# Altium PCB lamp_controller.PcbDoc (part 2 of 3) (continued)
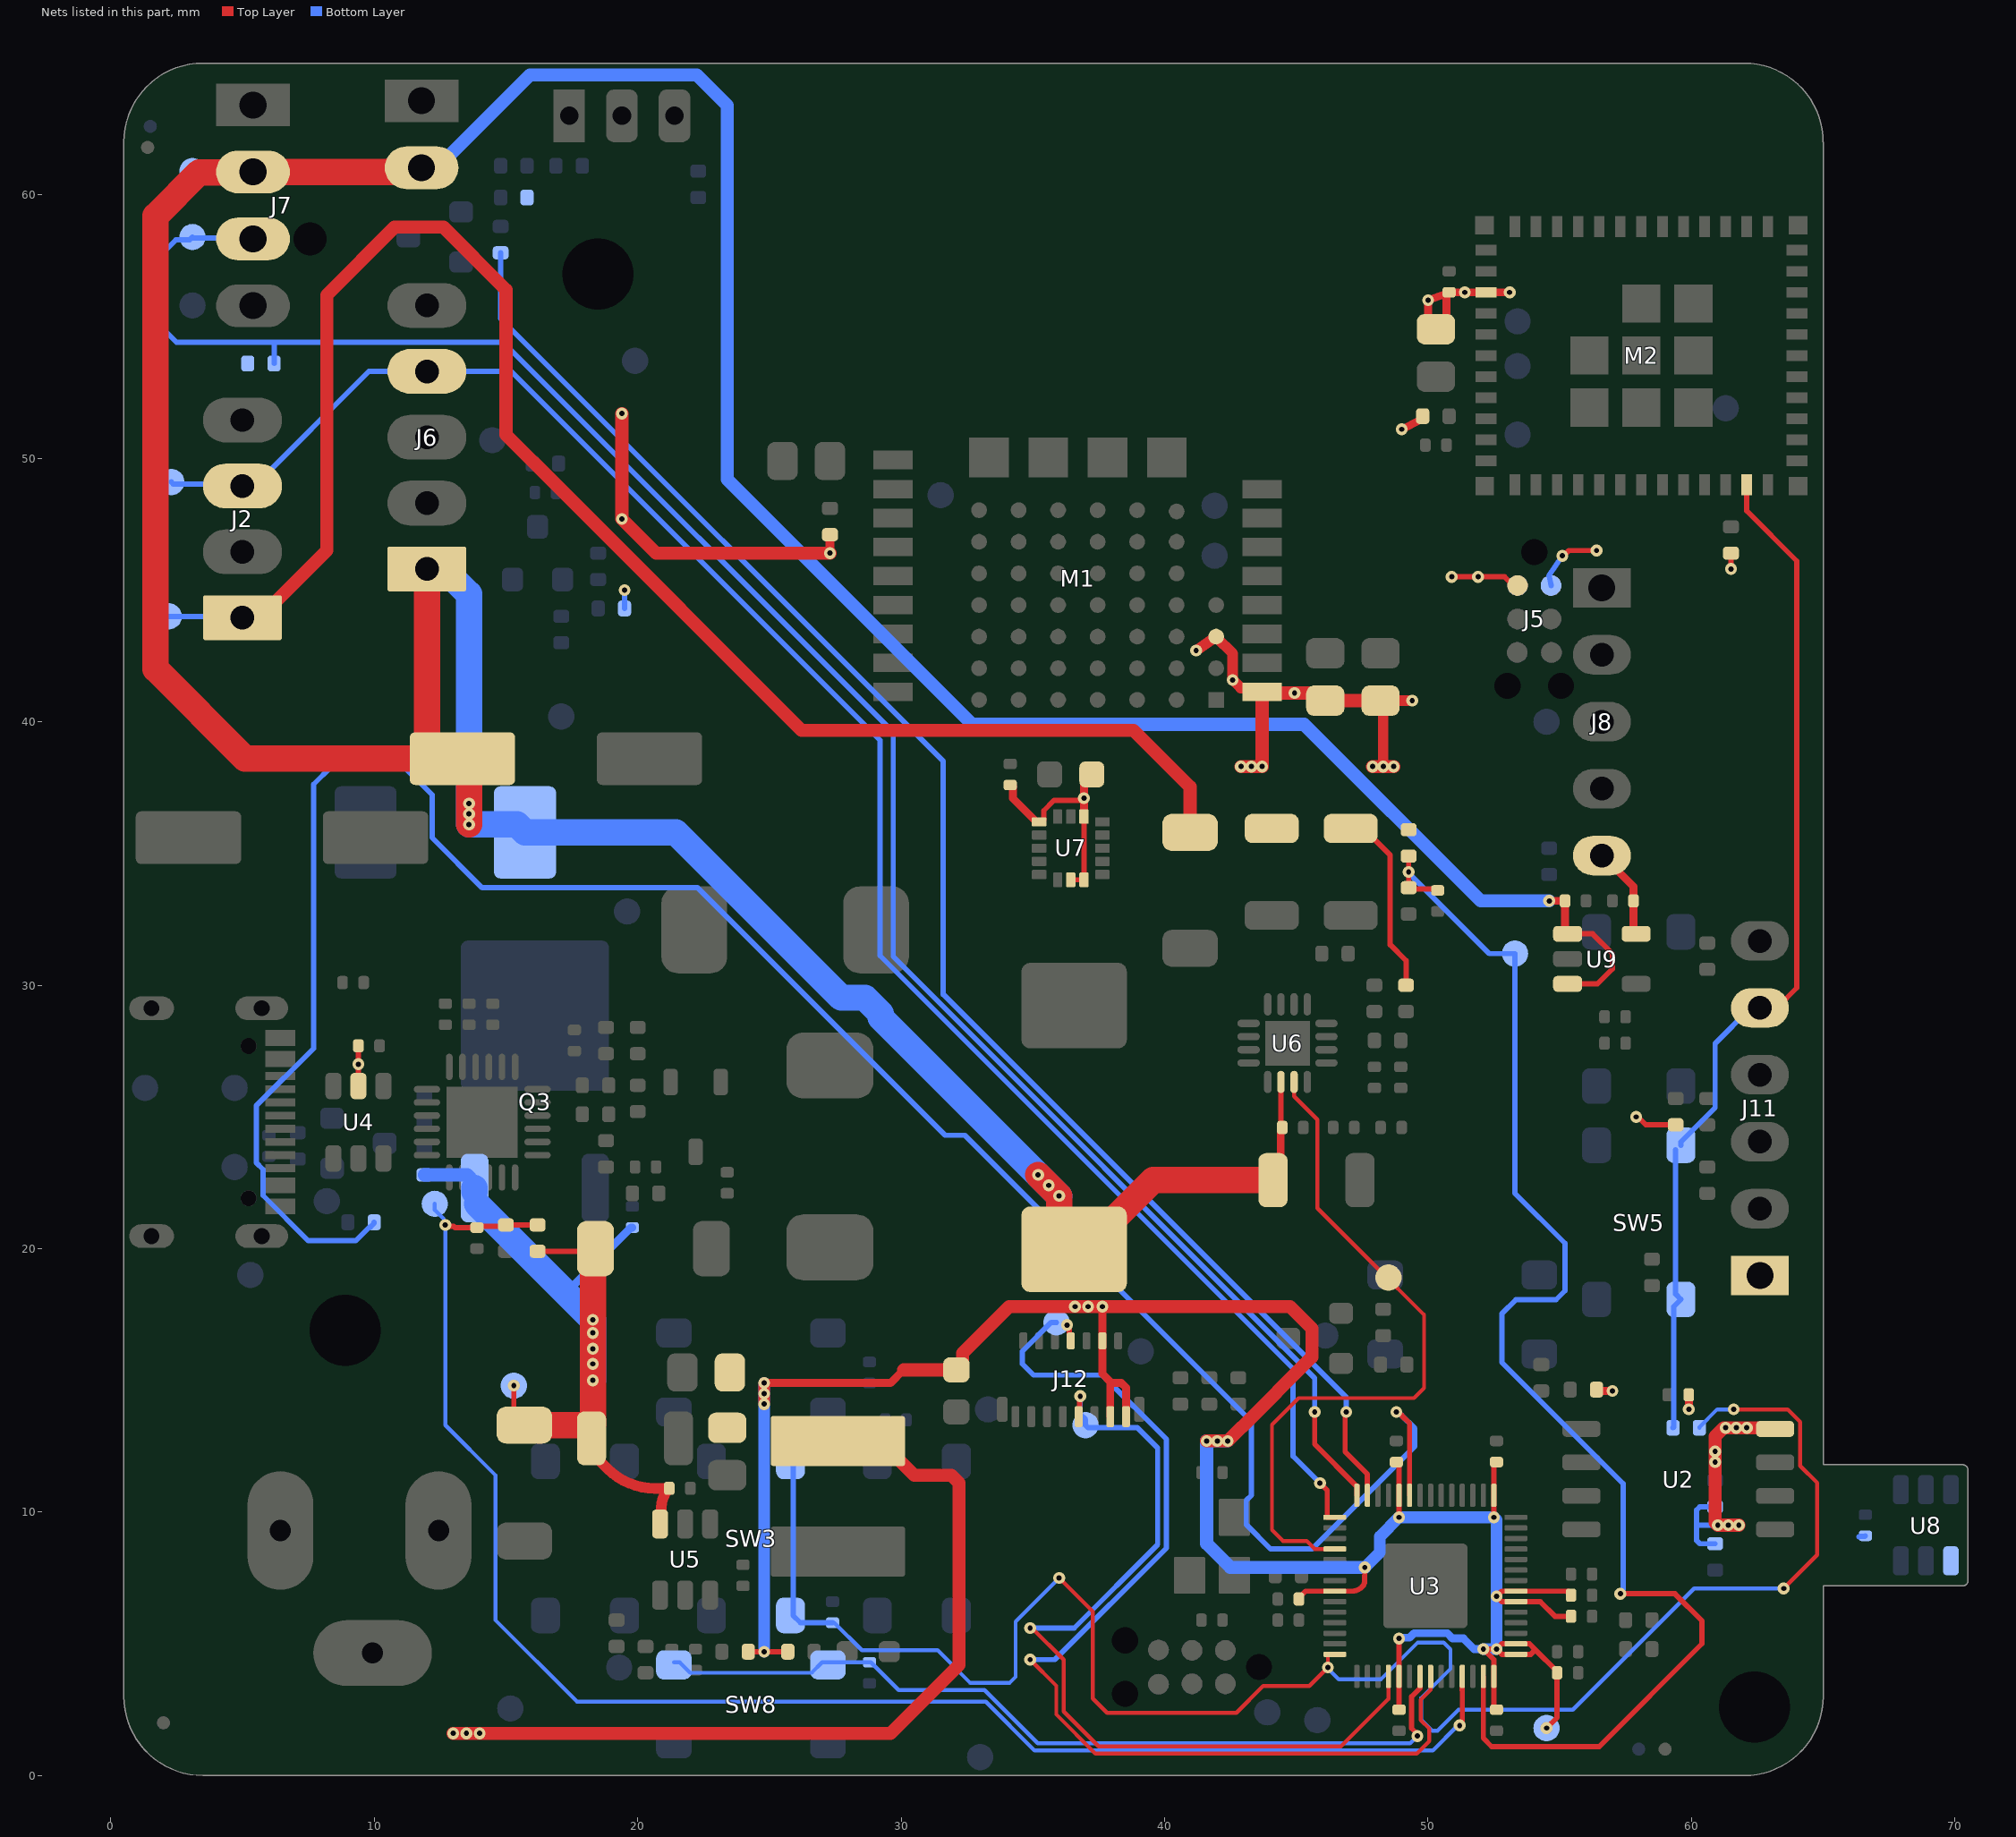
[diagram p4: the nets of this part, all layers, seen from the top]
## Part data (continued)
R29: "1.65 kΩ, 1%, 0402 Chip capacitor", Case/Package=0402, Manufacturer=Yageo, Max Operating Temperature=155°C, Min Operating Temperature=-55°C, Package Height=0.35mm, Package Length=1mm, Package Shape=Rectangular, Package Width=0.5mm, Power=62.5mW, Rated Temperature=70°C, Resistance=1.65kΩ, Resistor Type="FIXED RESISTOR", Supplier Part Number 1=YAG3043CT-ND, Temperature Coefficient (ppm/Cel)=100, Tolerance=1%, Working Voltage=50V, Additional Feature="LASER TRIMMABLE", Category="Chip SMD Resistors", ComponentLink1Description=https://datasheet.ciiva.com:443/pdfs/VipMasterIC/IC/YAGO/YAGO-S-A0008145938/YAGO-S-A0008145938-1.pdf?src-supplier=IHS+Markit, ComponentLink1URL=https://datasheet.ciiva.com:443/pdfs/VipMasterIC/IC/YAGO/YAGO-S-A0008145938/YAGO-S-A0008145938-1.pdf?src-supplier=IHS+Markit, ComponentLink2Description=https://datasheet.ciiva.com/26829/getdatasheetpartid-323718-26829959.pdf?src-supplier=Verical, ComponentLink2URL=https://datasheet.ciiva.com/26829/getdatasheetpartid-323718-26829959.pdf?src-supplier=Verical, ComponentLink3Description=https://datasheet.ciiva.com/8895/pyu-rc0402-51-rohs-l-6-8895143.pdf?src-supplier=Avnet, ComponentLink3URL=https://datasheet.ciiva.com/8895/pyu-rc0402-51-rohs-l-6-8895143.pdf?src-supplier=Avnet, ComponentLink4Description=https://datasheet.ciiva.com/17068/pyu-rc0402-51-rohs-l-6-r-17068206.pdf?src-supplier=Future+Electronics, ComponentLink4URL=https://datasheet.ciiva.com/17068/pyu-rc0402-51-rohs-l-6-r-17068206.pdf?src-supplier=Future+Electronics, Construction=Chip, JESD-609 Code=e3, Manufacturer Part Number=RC0402FR-071K65L, Mounting Technology="Surface Mount", Packaging="Tape and Reel", Pins=2, Pricing 1="1=0.1, 10=0.004, 50=0.0036, 100=0.0031, 500=0.00294, 10000=0.00204, 20000=0.00179, 30000=0.0016, 50000=0.00149, 70000=0.00139 (USD)", Reach SVHC Compliant=Yes, RoHS=Yes, RoHS Compliant=Yes, Stock 1=267119, Supplier 1=Digikey, Technology="METAL GLAZE/THICK FILM", Terminal Finish=Nickel, Termination=Wraparound
R30: "60.4 kΩ, 1%, 0402 Chip resistor", Case/Package=0402, Manufacturer=Yageo, Max Operating Temperature=155°C, Min Operating Temperature=-55°C, Package Height=0.35mm, Package Length=1mm, Package Shape=Rectangular, Package Width=0.5mm, Power=62.5mW, Rated Temperature=70°C, Resistance=60.4kΩ, Resistor Type="FIXED RESISTOR", Supplier Part Number 1=311-60.4KLRCT-ND, Temperature Coefficient (ppm/Cel)=100, Tolerance=1%, Working Voltage=50V, Additional Feature="LASER TRIMMABLE", Category="Chip SMD Resistors", ComponentLink1Description=https://datasheet.ciiva.com:443/pdfs/VipMasterIC/IC/YAGO/YAGO-S-A0008145938/YAGO-S-A0008145938-1.pdf?src-supplier=IHS+Markit, ComponentLink1URL=https://datasheet.ciiva.com:443/pdfs/VipMasterIC/IC/YAGO/YAGO-S-A0008145938/YAGO-S-A0008145938-1.pdf?src-supplier=IHS+Markit, ComponentLink2Description=https://datasheet.ciiva.com/8888/pyu-rc0402-51-rohs-l-6-8888622.pdf?src-supplier=Avnet, ComponentLink2URL=https://datasheet.ciiva.com/8888/pyu-rc0402-51-rohs-l-6-8888622.pdf?src-supplier=Avnet, ComponentLink3Description=https://datasheet.ciiva.com/17068/pyu-rc0402-51-rohs-l-6-r-17068614.pdf?src-supplier=Future+Electronics, ComponentLink3URL=https://datasheet.ciiva.com/17068/pyu-rc0402-51-rohs-l-6-r-17068614.pdf?src-supplier=Future+Electronics, Construction=Chip, JESD-609 Code=e3, Manufacturer Part Number=RC0402FR-0760K4L, Mounting Technology="Surface Mount", Packaging="Tape and Reel", Pins=2, Pricing 1="1=0.1, 10=0.015, 50=0.009, 100=0.0074, 500=0.00488, 1000=0.00413, 5000=0.00293, 10000=0.00257, 20000=0.00228, 30000=0.00214, 50000=0.00198, 70000=0.00188, 100000=0.00179, 250000=0.0016, 500000=0.00149, 1000000=0.00139 (USD)", Reach SVHC Compliant=Yes, RoHS=Yes, RoHS Compliant=Yes, Stock 1=167907, Supplier 1=Digikey, Technology="METAL GLAZE/THICK FILM", Terminal Finish=Nickel, Termination=Wraparound
SW1 SW2 SW3 SW5 SW6 SW7 SW8: library part TSC015A08026B, "Tactile switch, SPST", Max Operating Temperature=70°C, Min Operating Temperature=-20°C, Operating Force=260gf, Ratings=IP40, Actuator Type=Standard, Category="Tactile Switches", ComponentLink1Description=https://www.ckswitches.com/media/2567/pts647.pdf?src-supplier=Digi-Key, ComponentLink1URL=https://www.ckswitches.com/media/2567/pts647.pdf?src-supplier=Digi-Key, Height=8mm, house_part_number=SW-TAC-4.5-8-260gf, Illumination Type=Non-Illuminated, Manufacturer Part Number=TSC015A08026B, Mechanical Life=100000Cycles, Mount="Surface Mount", Packaging="Tape and Reel", Pricing 1="1=0.13000, 10=0.12700, 25=0.12080, 100=0.10970, 250=0.10308, 500=0.09432, 1000=0.07897 (USD)", RoHS=No, Stock 1=68566, Switch Function=Off-Mom, Switch Travel=0.25mm, Termination="Gull Wing", Throw Configuration=SPST
SW4: library part TSC015A06026A, "Tactile switch, SPST, 6mm tall", Max Operating Temperature=70°C, Min Operating Temperature=-20°C, Operating Force=260gf, Ratings=IP40, Actuator Type=Standard, Category="Tactile Switches", ComponentLink1Description=https://www.ckswitches.com/media/2567/pts647.pdf?src-supplier=Digi-Key, ComponentLink1URL=https://www.ckswitches.com/media/2567/pts647.pdf?src-supplier=Digi-Key, Height=6mm, Illumination Type=Non-Illuminated, Manufacturer Part Number=TSC015A06026A, Mechanical Life=100000Cycles, Mount="Surface Mount", Packaging="Tape and Reel", RoHS=No, Switch Function=Off-Mom, Switch Travel=0.25mm, Termination="Gull Wing", Throw Configuration=SPST
TP1 TP2 TP3 TP4 TP5 TP6 TP7 TP8 TP9 TP10 TP11 TP12 TP13 TP14 TP15 TP16 TP17 TP18 TP19 TP20 TP21 TP22 TP23 TP30 TP31 TP32 TP33 TP34 TP35 TP36 TP37 TP38 TP39 TP40 TP41 TP42 TP43: library part test_point-1, "Test point", pickable=no
U1: library part STUSB4500QTR, "USB PD Sink", Manufacturer=STMicroelectronics, Package=QFN-24, Supplier Part Number 1=C2678061, Category="USB Interface ICs", ComponentLink1Description=https://datasheet.ciiva.com:443/pdfs/VipMasterIC/IC/SGST/SGST-S-A0009451278/SGST-S-A0009451278-1.pdf?src-supplier=IHS+Markit, ComponentLink1URL=https://datasheet.ciiva.com:443/pdfs/VipMasterIC/IC/SGST/SGST-S-A0009451278/SGST-S-A0009451278-1.pdf?src-supplier=IHS+Markit, ComponentLink2Description=http://www.farnell.com/datasheets/2710898.pdf?src-supplier=Farnell, ComponentLink2URL=http://www.farnell.com/datasheets/2710898.pdf?src-supplier=Farnell, ComponentLink3Description=http://www.farnell.com/datasheets/2710898.pdf?src-supplier=Element14, ComponentLink3URL=http://www.farnell.com/datasheets/2710898.pdf?src-supplier=Element14, ComponentLink4Description=http://www.farnell.com/datasheets/2710898.pdf?src-supplier=Newark, ComponentLink4URL=http://www.farnell.com/datasheets/2710898.pdf?src-supplier=Newark, ComponentLink5Description=http://www.st.com/content/ccc/resource/technical/document/datasheet/group3/1c/4a/55/d7/17/01/44/86/DM00489312/files/DM00489312.pdf/jcr:content/translations/en.DM00489312.pdf?src-supplier=Digikey, ComponentLink5URL=http://www.st.com/content/ccc/resource/technical/document/datasheet/group3/1c/4a/55/d7/17/01/44/86/DM00489312/files/DM00489312.pdf/jcr:content/translations/en.DM00489312.pdf?src-supplier=Digikey, Consumer IC Type="CONSUMER CIRCUIT", Manufacturer Part Number=STUSB4500QTR, Pricing 1="1=1.8642, 10=1.5172, 30=1.3685, 100=1.183, 1000=1.0509, 2000=1.0343 (USD)", Reach SVHC Compliant=Yes, RoHS=Yes, RoHS Compliant=Yes, Stock 1=9434, Supplier 1=LCSC
U2: library part "W25Q128JVSIM TR", "128Mb SPI flash memory", Case/Package=SOIC-8, Frequency=133MHz, Manufacturer=Winbond, Max Operating Temperature=85°C, Min Operating Temperature=-40°C, Supplier Part Number 1=W25Q128JVSIMCT-ND, ComponentLink1Description=http://www.winbond.com/resource-files/w25q128jv_dtr%20revc%2003272018%20plus.pdf?src-supplier=Digi-Key, ComponentLink1URL=http://www.winbond.com/resource-files/w25q128jv_dtr%20revc%2003272018%20plus.pdf?src-supplier=Digi-Key, house_part_number=W25Q128JVSIM, Manufacturer Part Number="W25Q128JVSIM TR", Memory Size=128Mb, Memory Type=Non-Volatile,FLASH, Mount="Surface Mount", Number of Pins=8, Packaging="Cut Tape", Pricing 1="1=1.69, 10=1.545, 25=1.5028, 50=1.495, 100=1.3364, 250=1.3325, 500=1.3124, 1000=1.2567 (USD)", Stock 1=0, Supplier 1=Digi-Key
U3: "Raspberry Pi microcontroller, QFN-56", Manufacturer="Raspberry Pi", Package=QFN-56, Supplier Part Number=49AJ8739, Category=Uncategorized, Manufacturer Part Number=RP2040, Pricing="1=1 (USD)", RoHS=No, Stock=720, Supplier=Newark
U4: library part SRV05-4A, "TVS DIODE ARRAY SOT23-6", Breakdown Voltage=6V, Capacitance=3.5pF, Case/Package=SOT-23-6, Clamping Voltage=17V, Leakage Current=150nA, Manufacturer="SMC Diodes", Max Operating Temperature=125°C, Min Operating Temperature=-40°C, Operating Supply Voltage=1.1V, Package Quantity=3000, Peak Pulse Current=5A, Power Line Protection=Yes, Reverse Standoff Voltage=5.25V, Supplier Part Number 1=C260410, Test Current=1mA, Working Voltage=5V, Category="TVS Diodes", Clamping Voltage-Max=17V, ComponentLink1Description=https://datasheet.ciiva.com/1268/1690354-1268384.pdf?src-supplier=Element14, ComponentLink1URL=https://datasheet.ciiva.com/1268/1690354-1268384.pdf?src-supplier=Element14, ComponentLink2Description=https://datasheet.ciiva.com/4508/cd00050750-113117-4508433.pdf?src-supplier=Mouser, ComponentLink2URL=https://datasheet.ciiva.com/4508/cd00050750-113117-4508433.pdf?src-supplier=Mouser, ComponentLink3Description=https://datasheet.ciiva.com/15143/getdatasheetpartid-148465-15143789.pdf?src-supplier=Verical, ComponentLink3URL=https://datasheet.ciiva.com/15143/getdatasheetpartid-148465-15143789.pdf?src-supplier=Verical, ComponentLink4Description=https://datasheet.ciiva.com/16200/cd00050750-16200026.pdf?src-supplier=Future+Electronics, ComponentLink4URL=https://datasheet.ciiva.com/16200/cd00050750-16200026.pdf?src-supplier=Future+Electronics, ComponentLink5Description=https://datasheet.ciiva.com/41444/001184109-da-01-en-ic-esd-protecti-usblc6-2sc6-sot-23-6-stm-41444156.pdf?src-supplier=Conrad, ComponentLink5URL=https://datasheet.ciiva.com/41444/001184109-da-01-en-ic-esd-protecti-usblc6-2sc6-sot-23-6-stm-41444156.pdf?src-supplier=Conrad, Contact Plating=Tin,Matte, Data Rate=480Mbps, Depth=1.75mm, Direction=Unidirectional,Bidirectional, Element Configuration=Dual, ESD Protection=Yes, Height=1.3mm, house_part_number=SRV05-4A, Lead Free="Lead Free", Length=3.05mm, Manufacturer Part Number=SRV05-4A, Max Breakdown Voltage=6V, Max Reverse Leakage Current=150nA, Min Breakdown Voltage=6V, Mount="Surface Mount", Number of Bidirectional Channels=2, Number of Channels=2, Number of Elements=1, Number of Pins=6, Packaging="Tape and Reel", Polarity=Unidirectional,Bidirectional, Pricing="3000=0,05640 (USD)", Radiation Hardening=No, REACH SVHC="No SVHC", Reverse Breakdown Voltage=6V, RoHS=Yes, RoHS Compliant=Yes, Series=USB, Stock=12000, Supplier 1=LCSC, Termination=SMD/SMT, Width=1.75mm
U5: library part TPS54202DDCR, "Switching Regulator, Current-mode, 2A, 500kHz Switching Freq-Max, PDSO6", Case/Package=SOT-23-6, Frequency=590kHz, Manufacturer="Texas Instruments", Max Operating Temperature=125°C, Max Output Current=3.9A, Max Supply Voltage=28V, Min Input Voltage=4.5V, Min Operating Temperature=-40°C, Nominal Supply Voltage=12V, Package Body Material=Plastic, Package Shape=Rectangular, Package Style="SMALL OUTLINE, THIN PROFILE, SHRINK PITCHMeter", Supplier Part Number 1=296-TPS54202DDCRDKR-ND, Temperature Grade=AUTOMOTIVE, Category="Voltage Regulators - Switching", Channels=1, ComponentLink1Description=https://www.ti.com:443/lit/ds/symlink/tps54202.pdf?src-supplier=IHS+Markit, ComponentLink1URL=https://www.ti.com:443/lit/ds/symlink/tps54202.pdf?src-supplier=IHS+Markit, ComponentLink2Description=http://www.ti.com/general/docs/suppproductinfo.tsp?distId=10&gotoUrl=http%3A%2F%2Fwww.ti.com%2Flit%2Fgpn%2Ftps54202&src-supplier=Digi-Key, ComponentLink2URL=http://www.ti.com/general/docs/suppproductinfo.tsp?distId=10&gotoUrl=http%3A%2F%2Fwww.ti.com%2Flit%2Fgpn%2Ftps54202&src-supplier=Digi-Key, ComponentLink3Description=http://www.ti.com/lit/ds/symlink/tps54202.pdf?src-supplier=Digi-Key, ComponentLink3URL=http://www.ti.com/lit/ds/symlink/tps54202.pdf?src-supplier=Digi-Key, ComponentLink4Description=http://www.ti.com/general/docs/suppproductinfo.tsp?distId=10&amp;gotoUrl=http%3A%2F%2Fwww.ti.com%2Flit%2Fgpn%2Ftps54202&src-supplier=Digi-Key, ComponentLink4URL=http://www.ti.com/general/docs/suppproductinfo.tsp?distId=10&amp;gotoUrl=http%3A%2F%2Fwww.ti.com%2Flit%2Fgpn%2Ftps54202&src-supplier=Digi-Key, Control Mode=CURRENT-MODE, Control Technique="PULSE WIDTH MODULATION", Height - Seated (Max)=1.1mm, JESD-30 Code=R-PDSO-G6, JESD-609 Code=e3, Length=2.9mm, Manufacturer Part Number=TPS54202DDCR, Moisture Sensitivity Level=1, Pins=6, Pricing 1="1=1.29, 10=1.154, 25=1.0956, 100=0.9001, 250=0.8414, 500=0.74356, 1000=0.58702 (USD)", Reach SVHC Compliant=Yes, RoHS=Yes, RoHS Compliant=Yes, Stock 1=4766, Supplier 1=Digi-Key, Surface Mount=Yes, Switcher Configuration=BUCK, Terminal Finish=Tin, Terminal Form="Gull Wing", Terminal Pitch=0.95mm, Terminal Position=DUAL, Throw Configuration="SWITCHING REGULATOR", Width=1.6mm
U6: library part TPS55340RTER, "Boost, 32V, 7.75A, QFN-16", Case/Package=HVQCCN, Frequency=1.48MHz, Manufacturer="Texas Instruments", Max Operating Temperature=150°C, Max Output Current=7.75A, Max Supply Voltage=32V, Min Input Voltage=2.9V, Min Operating Temperature=-40°C, Nominal Supply Voltage=5V, Package=QFN-16, Package Body Material=Plastic, Package Shape=Square, Package Style="CHIP CARRIER, HEAT SINK/SLUG, VERY THIN PROFILEMeter", Peak Reflow Temperature (Cel)=260°C, Supplier Part Number 1=C169167, Temperature Grade=AUTOMOTIVE, Category="Voltage Regulators - Switching", Channels=1, ComponentLink1Description=https://www.ti.com:443/lit/ds/symlink/tps55340.pdf?src-supplier=IHS+Markit, ComponentLink1URL=https://www.ti.com:443/lit/ds/symlink/tps55340.pdf?src-supplier=IHS+Markit, ComponentLink2Description=https://datasheet.ciiva.com/41798/tps55340-41798808.pdf?src-supplier=Digikey, ComponentLink2URL=https://datasheet.ciiva.com/41798/tps55340-41798808.pdf?src-supplier=Digikey, ComponentLink3Description=https://datasheet.ciiva.com/14377/tps55340-14377094.pdf?src-supplier=Avnet, ComponentLink3URL=https://datasheet.ciiva.com/14377/tps55340-14377094.pdf?src-supplier=Avnet, Control Mode=CURRENT-MODE, Control Technique="PULSE WIDTH MODULATION", Height - Seated (Max)=0.8mm, JESD-30 Code=S-PQCC-N16, JESD-609 Code=e4, Length=3mm, Manufacturer Part Number=TPS55340RTER, Moisture Sensitivity Level=2, Pins=16, Pricing 1="1=0.8828, 10=0.7582, 30=0.6705, 100=0.5967, 500=0.5168, 1000=0.5029 (USD)", Qualification Status="Not Qualified", Reach SVHC Compliant=Yes, RoHS=Yes, RoHS Compliant=Yes, Stock 1=2560, Supplier 1=LCSC, Surface Mount=Yes, Switcher Configuration=BOOST, Terminal Finish=Nickel, Terminal Form="No Lead", Terminal Pitch=0.5mm, Terminal Position=QUAD, Throw Configuration="SWITCHING REGULATOR", Width=3mm
U7: library part LIS3DHTR, "3-Axis accelerometer, 16-bit, I2C/SPI, LGA-16", Case/Package=LGA-16, Manufacturer=STMicroelectronics, Max Operating Temperature=85°C, Max Supply Voltage=3.6V, Min Operating Temperature=-40°C, Min Supply Voltage=1.71V, Operating Supply Current=11uA, Operating Supply Voltage=2.5V, Package Quantity=4000, Supplier Part Number 1=C15134, Axis="X, Y, Z", Bandwidth=5kHz, Category=Accelerometers, ComponentLink1Description=https://datasheet.ciiva.com/7621/1718591-7621744.pdf?src-supplier=Element14, ComponentLink1URL=https://datasheet.ciiva.com/7621/1718591-7621744.pdf?src-supplier=Element14, ComponentLink2Description=https://datasheet.ciiva.com/5296/cd00274221-117431-5296513.pdf?src-supplier=Mouser, ComponentLink2URL=https://datasheet.ciiva.com/5296/cd00274221-117431-5296513.pdf?src-supplier=Mouser, ComponentLink3Description=https://datasheet.ciiva.com/2810/cd00274221-2810009.pdf?src-supplier=Digikey, ComponentLink3URL=https://datasheet.ciiva.com/2810/cd00274221-2810009.pdf?src-supplier=Digikey, ComponentLink4Description=https://datasheet.ciiva.com/2810/cd00274221-2810008.pdf?src-supplier=Digikey, ComponentLink4URL=https://datasheet.ciiva.com/2810/cd00274221-2810008.pdf?src-supplier=Digikey, ComponentLink5Description=https://datasheet.ciiva.com/2810/cd00274221-2810010.pdf?src-supplier=Digikey, ComponentLink5URL=https://datasheet.ciiva.com/2810/cd00274221-2810010.pdf?src-supplier=Digikey, ComponentLink6Description=https://datasheet.ciiva.com/48495/cd00274221-48495849.pdf?src-supplier=Avnet, ComponentLink6URL=https://datasheet.ciiva.com/48495/cd00274221-48495849.pdf?src-supplier=Avnet, ComponentLink7Description=https://datasheet.ciiva.com/3271/cd00274221-3271807.pdf?src-supplier=Avnet, ComponentLink7URL=https://datasheet.ciiva.com/3271/cd00274221-3271807.pdf?src-supplier=Avnet, ComponentLink8Description=https://datasheet.ciiva.com/16216/cd00274221-16216362.pdf?src-supplier=Future+Electronics, ComponentLink8URL=https://datasheet.ciiva.com/16216/cd00274221-16216362.pdf?src-supplier=Future+Electronics, Depth=3mm, Height=1mm, house_part_number=LIS3DHTR, Interface=I2C,SPI, Lead Free="Lead Free", Length=3mm, Manufacturer Part Number=LIS3DHTR, Max Supply Voltage (DC)=3.6V, Min Supply Voltage (DC)=1.71V, Output Type=Digital, Packaging="Tape and Reel", Pins=16, Pricing="4000=0.94095, 8000=0.92155, 16000=0.90215 (USD)", Radiation Hardening=No, Reach SVHC Compliant=No, Resolution=16b, RoHS=Yes, RoHS Compliant=Yes, Sensor Type="3 Axis", Series=-, Stock=40000, Supplier=Avnet, Supplier 1=LCSC, Supplier Part Number=LIS3DHTR, Width=3mm
U8: library part TMAG5273A2QDBVR, "3-Axis Hall sensor, I2C, SOT-23-6", Manufacturer="Texas Instruments", Package=SOT-23-6, Supplier Part Number 1=C3715882, Category="Integrated Circuits (ICs)", Manufacturer Part Number=TMAG5273A2QDBVR, Pricing 1="1=0.7697, 10=0.6247, 30=0.5507, 100=0.4782, 500=0.4242, 1000=0.4011 (USD)", RoHS=No, Stock 1=2055, Supplier 1=LCSC
U9: "5 V, 300 mA LDO, SOT-23-5", Case/Package=SOT-23-5, Dropout Voltage1-Max=500mV, Manufacturer=Diodes, Max Supply Voltage=13.2V, Min Input Voltage=6V, Operating Temperature, TJ-Max=125°C, Operating Temperature, TJ-Min=-40°C, Output Current1-Max=300mA, Output Voltage1-Max=5.1V, Output Voltage1-Min=4.9V, Output Voltage1-Nom=5V, Package Body Material=Plastic, Package Shape=Rectangular, Package Style="SMALL OUTLINE, LOW PROFILE, SHRINK PITCHMeter", Supplier Part Number 1=C500758, Category="Voltage Regulators - Linear", Channels=1, ComponentLink1Description=https://datasheet.ciiva.com:443/pdfs/VipMasterIC/IC/DIOD/DIOD-S-A0002238385/DIOD-S-A0002238385-1.pdf?src-supplier=IHS+Markit, ComponentLink1URL=https://datasheet.ciiva.com:443/pdfs/VipMasterIC/IC/DIOD/DIOD-S-A0002238385/DIOD-S-A0002238385-1.pdf?src-supplier=IHS+Markit, ComponentLink2Description=https://datasheet.ciiva.com/29569/ap2210-29569974.pdf?src-supplier=Digikey, ComponentLink2URL=https://datasheet.ciiva.com/29569/ap2210-29569974.pdf?src-supplier=Digikey, ComponentLink3Description=https://datasheet.ciiva.com/29569/ap2210-29569975.pdf?src-supplier=Digikey, ComponentLink3URL=https://datasheet.ciiva.com/29569/ap2210-29569975.pdf?src-supplier=Digikey, ComponentLink4Description=https://datasheet.ciiva.com/29569/ap2210-29569976.pdf?src-supplier=Digikey, ComponentLink4URL=https://datasheet.ciiva.com/29569/ap2210-29569976.pdf?src-supplier=Digikey, Height - Seated (Max)=1.45mm, JESD-30 Code=R-PDSO-G5, JESD-609 Code=e3, Length=2.9mm, Manufacturer Part Number=AP2210K-5.0TRG1, Moisture Sensitivity Level=3, Pins=5, Pricing 1="5=0.1337, 50=0.1058, 150=0.0919, 500=0.0815, 3000=0.0657, 6000=0.0615 (USD)", Reach SVHC Compliant=Yes, Regulator Type="FIXED POSITIVE SINGLE OUTPUT LDO REGULATOR", RoHS=Yes, RoHS Compliant=Yes, Stock 1=4255, Supplier 1=LCSC, Surface Mount=Yes, Terminal Finish=Tin, Terminal Form="Gull Wing", Terminal Pitch=0.95mm, Terminal Position=DUAL, Width=1.6mm
Y1: "12 MHz, 10 ppm, 20 pF, 3225 Crystal", Case/Package=3225, Supplier Part Number 1=C133334, ESR=50Ω, house_part_number=TAXM12M4RLBDDT2T, Manufacturer Part Number=TAXM12M4RLBDDT2T, Supplier 1=LCSC

## Via types
v1: diameter 0.45, hole 0.2, Top Layer to Bottom Layer, tented both sides, 399 vias
v2: diameter 0.45, hole 0.2, Top Layer to Bottom Layer, 9 vias
v3: diameter 0.5, hole 0.2, Top Layer to Bottom Layer, 9 vias

## Nets (pads, with @x,y where several pads share a name; then routed paths per layer and width w, separated by ;. In a path a pad name is that pad's centre, name@x,y a point inside that pad or via, vN(x,y) a via of type N, cw(c..) or ccw(c..) an arc to the next point about the centre after c; other vN are vias at no path point)
+3.3V: C7.2 C8.2 C9.2 C10.2 C11.2 C12.2 C13.2 C14.2 C15.2 C16.2 C25.2 C26.2 C34.2 C35.2 C39.2 C40.2 C48.2 C49.2 C51.2 C54.2 J5.1 J11.1 J12.1 J12.3 J12.4 L1.2 M1.9 M1.F4 M2.3 R3.1 R11.2 R12.2 R13.1 R14.2 R31.1 R32.1 R33.1 R34.1 R36.1 R44.2 R45.2 TP9.1 U2.8 U3.1 U3.10 U3.22 U3.33 U3.42 U3.43 U3.44 U3.48 U3.49 U4.5 U7.1 U7.7 U7.8 U7.14 U8.4 | length 199.9
  Top Layer w0.2: U4.5@9.4,26.175 v1(9.4,27) C7.2@9.4,27.7 ; R11.2@24.2,4.7 v1(24.8,4.7) R14.2@25.7,4.7 ; U7.1@35.24,36.2 35.34,36.2 35.415,36.275 35.415,36.626 35.803,37.014 v1@36.94,37.014 ; U7.7@36.44,34 U7.8@36.94,34 U7.14@36.94,36.4 ; C13.2@45.1,6.7 45.1,6.75 45.35,7 U3.22@46.462,7 47.11,7 ccw(c47.11,7.549) 47.499,7.161 ccw(c47.255,7.405) 47.574,7.273 ccw(c47.389,7.35) 47.589,7.346 v1(47.6,7.9) ; C12.2@48.8,11.9 48.9,11.8 U3.10@48.9,10.637 v1(48.9,9.8) ; C9.2@48.9,2.5 U3.33@48.9,3.762 48.9,5.2 v1(48.902,5.202) ; v1(50.9,45.5) v1(51.9,45.5) 52.911,45.5 53.241,45.17 J5.1@53.4,45.17 ; v1(52.5,9.8) U3.1@52.5,10.637 52.5,11.8 C11.2@52.6,11.9 ; C10.2@52.6,2.5 52.5,2.6 52.5,4.4 v1(52.1,4.8) v1(52.6,4.8) ; v1(54.5,1.8) 54.9,2.2 C16.2@54.9,3.9 54.9,3.95 54.075,4.775 ; v1(55.1,46.3) 55.142,46.3 55.342,46.5 v1(56.4,46.5) ; C15.2@55.427,6.045 54.818,6.045 54.263,6.6 U3.48@53.337,6.6 52.8,6.6 v1(52.6,6.8) 52.8,7 U3.49@53.337,7 55.25,7 55.255,6.995 55.327,6.995 55.427,6.895 C14.2@55.427,6.845 ; v1(57.9,25) 57.968,25 58.268,24.7 R36.1@59.4,24.7 ; v1(61.5,45.8) R44.2@61.5,46.4 ; v1(52.6,4.8) 52.8,5 U3.44@53.337,5 53.85,5 54.075,4.775 ; v1(52.6,4.8) 52.8,4.6 U3.43@53.337,4.6 53.9,4.6 54.075,4.775
  Top Layer w0.3: v1(24.8,14.9) 29.6,14.9 30.1,15.4 ; C51.2@32.1,15.4 C51.2@32.336,15.636 ; C35.2@34.14,37.6 34.19,37.6 34.24,37.55 34.24,37.1 35.14,36.2 U7.1@35.24,36.2 ; U7.14@36.94,36.4 36.94,37.014 36.94,37.628 37.24,37.928 C34.2@37.24,38 ; v1(37.64,17.8) J12.4@37.64,16.5 37.64,15.25 37.94,14.95 ; J12.3@37.94,13.625 37.94,14.95 ; J12.1@38.54,13.625 38.54,14.724 38.364,14.9 37.99,14.9 37.94,14.95 ; v1(49,51.1) 49.7,51.45 49.78,51.61 R45.2@49.8,51.65 ; C48.2@50.15,54.9 C48.2@50.3,54.9 ; v1(53.1,56.3) 52.45,56.3 M2.3@52.2,56.3 v1(51.4,56.3) C49.2@50.8,56.3 C49.2@50.7,56.25 ; R12.2@56.4,14.65 56.5,14.6 v1(57,14.6) ; v1(59.9,13.9) C8.2@59.9,14.45 ; C48.2@50.3,54.9 50.7,55.187 C49.2@50.7,56.25 ; C48.2@50.3,54.9 50,55.187 v1(50,56) C49.2@50.7,56.25
  Top Layer w0.35: v1(27.3,46.4) R13.1@27.3,47.1
  Top Layer w0.4: v1(41.2,42.7) M1.F4@41.96,43.232 ; M1.F4@41.96,43.213 42.587,42.586 v1(42.587,41.586) 42.892,41.281 43.557,41.281 M1.9@43.707,41.131 ; v1(48.3,38.3) 48.3,40.513 C40.2@48.2,40.8 48.637,40.8 v1(49.4,40.8)
  Top Layer w0.45: v1(24.8,14.1) v1(24.8,14.5) v1(24.8,14.9)
  Top Layer w0.5: v1(13,1.6) v1(13.5,1.6) v1(14,1.6) 29.6,1.6 32.2,4.2 32.2,11.107 31.907,11.4 30.5,11.4 29.2,12.7 L1.2@27.6,12.7 ; v1(19.4,51.7) v1(19.4,47.7) 20.7,46.4 v1(27.3,46.4) ; 30.1,15.4 C51.2@32.1,15.4 ; C51.2@32.336,15.636 32.336,16.036 33.3,17 34.1,17.8 v1(36.6,17.8) v1(37.1,17.8) v1(37.64,17.8) 44.766,17.8 45.6,16.966 45.6,15.89 42.943,13.234 42.934,13.234 v1(42.4,12.7) v1(42,12.7) v1(41.6,12.7) ; v1(42.9,38.3) v1(43.3,38.3) v1(43.7,38.3) 43.7,41.031 M1.9@43.707,41.131 44.207,41.088 v1(44.935,41.088) 45.662,41.088 C39.2@46.1,40.8 ; C39.2@46.3,40.8 C40.2@48.2,40.8 ; v1(47.9,38.3) v1(48.3,38.3) v1(48.7,38.3) ; v1(61.8,9.5) v1(61.4,9.5) v1(61,9.5) 60.9,9.6 60.9,12.875 61.225,13.2 v1(61.7,13.2) v1(62.1,13.2) 63.13,13.2 U2.8@63.175,13.155
  Bottom Layer w0.2: R3.1@19.5,44.3 v1(19.5,45) ; 24.8,5.1 24.918,5.218 ; J5.1@54.67,45.17 54.595,45.545 v1(55.1,46.3) ; 60.3,9.5 v1(61,9.5) v1(61.4,9.5) ; R32.1@60.9,8.8 60.317,8.8 60.2,8.917 60.2,10.083 60.317,10.2 R31.1@60.9,10.2
  Bottom Layer w0.203: C54.2@66.365,9.057 66.387,9.079 66.579,9.079 C54.2@66.6,9.1
  Bottom Layer w0.3: v1(48.902,5.202) 48.931,5.231 49.294,5.231 49.467,5.404 50.733,5.404 50.935,5.202 51.346,5.202 51.75,4.798 v1@52.098,4.798
  Bottom Layer w0.45: v1(24.8,4.7) 24.8,5.1 v1(24.8,14.1) v1(24.8,14.5) v1(24.8,14.9) ; v1(47.6,7.9) 48.173,8.473 48.173,9.073 v1(48.9,9.8) v1(52.5,9.8) 52.602,9.698 52.602,6.802 v1(52.6,6.8) 52.602,6.798 52.602,4.802 v1(52.6,4.8) v1(52.1,4.8) v1@52.098,4.798
  Bottom Layer w0.5: v1(42.4,12.7) v1(42,12.7) v1(41.6,12.7) 41.6,8.8 42.5,7.9 v1(47.6,7.9)
  other v1: 60.9,11.9 60.9,12.3 61.3,13.2 36.94,37.1
+5V: C58.2 J8.5 U9.5 | length 3.5
  Top Layer w0.3: J8.5@56.6,34.92 56.625,34.92 57.8,33.745 57.8,32.05 U9.5@57.9,31.95
+12V: C22.2 C23.2 C61.2 D1.1 D4.1 Q3.3 R10.2 R19.2 TP39.1 U5.3 | length 33
  Top Layer w0.2: v1(15.3,14.8) 15.3,13.529 D4.1@15.529,13.3 ; R19.2@16.2,19.9 D1.1@18.3,19.9
  Top Layer w0.4: C22.2@18.25,12.8 ccw(c19.578,12.8) 18.639,11.861 18.856,11.644 ccw(c20.652,13.44) 20.652,10.9 C23.2@21.2,10.9 ccw(c21.924,10.176) 20.9,10.176 U5.3@20.9,9.55
  Top Layer w0.5: D4.1@15.529,13.3 D4.1@15.7,13.3
  Top Layer w1: D4.1@15.7,13.3 18.275,13.3 18.3,13.325 18.3,14.4 v1(18.3,15) v1(18.3,16.2) v1(18.3,16.8) v1(18.3,17.3) 18.3,19.9 D1.1@18.4,20
  Bottom Layer w0.3: 17.2,18.4 17.35,18.4 19.75,20.8 C61.2@19.8,20.8
  Bottom Layer w0.5: R10.2@11.9,22.8 13.536,22.8 13.81,22.526 Q3.3@13.81,22.3
  Bottom Layer w1: Q3.3@13.81,22.157 Q3.3@13.81,22.3 ; Q3.3@13.9,21.7 17.2,18.4 v1(18.3,17.3) v1(18.3,16.8) v1(18.3,16.2) v1(18.3,15.625) v1(18.3,15)
+12V_ENABLE: R16.1 U3.9 | length 86.4
  Top Layer w0.2: v1(48.8,13.8) 48.868,13.8 48.99,13.677 48.998,13.677 49.3,13.375 U3.9@49.3,10.637
  Bottom Layer w0.2: R16.1@10,21 10,20.964 9.852,20.815 9.815,20.815 9.3,20.3 7.5,20.3 5.782,22.018 5.782,23.005 5.523,23.265 5.523,25.423 7.7,27.6 7.7,37.627 8.373,38.3 11.127,38.3 12.2,37.227 12.2,35.6 14.1,33.7 22.278,33.7 31.673,24.304 32.423,24.304 43.3,13.427 43.3,10.642 43.1,10.442 43.1,9.525 44.025,8.6 45.6,8.6 49.5,12.5 49.5,13.175 48.998,13.677 48.99,13.677 48.868,13.8 v1(48.8,13.8)
+12V_SWITCHED: C29.2 C30.2 C56.1 C57.2 J6.1 J7.2 J10.2 L2.1 L3.2 TP40.1 U6.2 U9.1 U9.3 | length 180.6
  Top Layer w0.2: C30.2@44.407,24.54 44.417,24.55 44.417,24.65 U6.2@44.417,26.325 ; U9.3@55.3,30.05 56.434,30.05 57,30.616 57,31.2 56.25,31.95 U9.1@55.3,31.95
  Top Layer w0.28: C29.2@44.117,22.6 44.407,22.89 C30.2@44.407,24.54 ; C30.2@44.417,24.55 C30.2@44.467,24.6 C30.2@44.417,24.65
  Top Layer w0.3: v1(54.6,33.2) C57.2@55.2,33.2 55.2,32.05 U9.1@55.3,31.95
  Top Layer w1: J6.1@12,45.8 12,39.1 C56.1@12.5,38.6 ; J10.2@12.28,60.87 12.239,60.911 10.653,60.911 10.612,60.87 J7.2@5.4,60.87 5.387,60.857 3.357,60.857 1.7,59.2 1.7,42 5.1,38.6 12,38.6 C56.1@12.5,38.6 ; v1(13.6,36.1) v1(13.6,36.5) v1(13.6,36.9) 13.6,38.35 C56.1@13.35,38.6 C56.1@12.5,38.6 ; v1(35.2,22.8) v1(35.6,22.4) v1(36,22) 36,20.542 L2.1@36.567,19.975 ; L2.1@36.942,19.975 39.567,22.6 C29.2@44.117,22.6
  Bottom Layer w0.2: TP40.1@3.1,60.9 3.115,60.885 5.385,60.885 J7.2@5.4,60.87
  Bottom Layer w0.5: J10.2@11.8,61.03 12.39,61.03 15.91,64.55 22.25,64.55 23.4,63.4 23.4,49.204 32.704,39.9 45.3,39.9 52,33.2 v1(54.6,33.2)
  Bottom Layer w1: J6.1@12,45.8 12.65,45.8 13.6,44.85 v1(13.6,36.9) v1(13.6,36.5) v1(13.6,36.1) 15.425,36.1 L3.2@15.725,35.8 21.45,35.8 27.725,29.525 28.625,29.525 29.225,28.925 29.225,28.775 v1(35.2,22.8) v1(35.6,22.4) v1(36,22)
+12V_VSENSE: C46.2 R19.1 R21.2 TP19.1 U3.39 | length 61.3
  Top Layer w0.2: v1(12.7,20.9) 12.748,20.852 13.015,20.852 13.068,20.8 C46.2@13.9,20.8 13.95,20.85 14.95,20.85 R21.2@15,20.9 R19.1@16.2,20.9 ; v1(51.2,1.9) 51.2,1.968 51.304,2.072 51.304,3.233 51.3,3.238 U3.39@51.3,3.762
  Bottom Layer w0.15: TP19.1@12.3,21.7 12.3,21.47 12.643,21.127 12.643,20.957 v1(12.7,20.9) 12.7,13.3 14.598,11.402 14.598,5.902 17.7,2.8 33.217,2.8 35.071,0.946 50.178,0.946 51.132,1.9 v1(51.2,1.9)
+24V: C31.2 C32.2 D5.1 J2.1 R20.2 R28.2 TP42.1 | length 71.5
  Top Layer w0.2: C32.2@47.067,35.95 47.55,35.95 48.567,34.933 48.567,31.533 49.167,30.933 R28.2@49.167,30
  Top Layer w0.5: J2.1@5,43.95 5.65,43.95 8.2,46.5 8.2,56.2 10.775,58.775 12.625,58.775 15,56.4 15,50.9 17.075,48.825 26.225,39.675 38.825,39.675 40.967,37.533 D5.1@40.967,35.8
  Bottom Layer w0.2: TP42.1@2.2,44 4.95,44 J2.1@5,43.95
+24V_ENABLE: TP22.1 U3.18 U6.3 | length 27
  Top Layer w0.15: U6.3@44.917,26.588 44.917,25.783 45.8,24.9 45.8,21.54 47.704,19.636 47.907,19.433 49.852,17.487 49.852,14.713 49.466,14.326 45.088,14.326 44.077,13.315 44.077,9.323 44.498,8.902 45.398,8.902 45.7,8.6 U3.18@46.462,8.6 ; TP22.1@48.47,18.9 TP22.1@48.546,18.9
+24V_VSENSE: C47.2 R20.1 R27.2 TP20.1 U3.41 | length 53.5
  Top Layer w0.2: R20.1@49.267,34.9 v1(49.267,34.3) R27.2@49.267,33.7 49.317,33.65 50.317,33.65 C47.2@50.367,33.6 C47.2@50.417,33.6 ; U3.41@52.1,3.762 52.1,1.417 52.417,1.1 56.5,1.1 60.4,5 60.4,5.875 59.375,6.9 v1(57.302,6.9)
  Bottom Layer w0.2: v1(49.267,34.3) 49.267,34.258 52.325,31.2 TP20.1@53.3,31.2 53.3,22.1 55.2,20.2 55.2,18.4 54.864,18.064 53.336,18.064 52.8,17.527 52.8,15.686 57.407,11.079 57.407,7.073 57.302,6.968 v1(57.302,6.9)
\LAMP_STATUS: J2.3 J6.4 TP13.1 U3.15 | length 71.4
  Top Layer w0.2: v1(45.9,11.1) 46.175,10.825 46.175,9.8 U3.15@46.462,9.8
  Bottom Layer w0.2: TP13.1@2.3,49.1 2.375,49.025 4.925,49.025 J2.3@5,48.95 5.45,48.95 9.8,53.3 J6.4@12,53.3 15.2,53.3 29.2,39.3 29.2,31.125 44.877,15.448 44.877,12.123 v1(45.9,11.1)
\LCD_CS: J12.8 TP35.1 U3.36 | length 40.8
  Top Layer w0.15: v1(34.9,4.4) 35.892,3.408 35.892,2.319 37.382,0.829 37.704,0.829 49.569,0.829 50.052,1.313 50.052,1.772 49.723,2.102 49.723,2.877 50.1,3.255 U3.36@50.1,3.762
  Top Layer w0.2: v1(36.3,17.1) 36.3,17.032 36.39,16.942 36.39,16.55 J12.8@36.44,16.5
  Bottom Layer w0.2: v1(34.9,4.4) 35.834,4.4 40.067,8.633 40.067,12.771 37.638,15.2 35.025,15.2 34.6,15.625 34.6,16.1 35.7,17.2 TP35.1@35.9,17.2
\LCD_RESET: J12.7 TP36.1 U3.32 | length 33.1
  Top Layer w0.15: v1(34.9,5.6) 34.968,5.6 36.169,4.399 36.169,2.756 36.169,2.433 37.496,1.106 37.819,1.106 46.693,1.106 48.5,2.912 U3.32@48.5,3.762
  Top Layer w0.2: J12.7@36.74,13.625 36.77,13.655 36.77,14.37 v1(36.8,14.4)
  Bottom Layer w0.2: v1(34.9,5.6) 36.571,5.6 39.74,8.769 39.74,12.431 38.971,13.2 37.1,13.2 TP36.1@37,13.3 37,13.516 36.8,13.716 v1(36.8,14.4)
CENTER: C44.2 R55.1 SW3.3 SW3.4 U3.28 | length 71.9
  Top Layer w0.15: v1(36,7.5) 37.277,6.223 37.277,2.923 37.823,2.377 42.723,2.377 43.74,3.394 45.494,3.394 v1@46.225,4.125 ; v1(46.2,4.1) 46.2,4.575 46.225,4.6 U3.28@46.462,4.6 ; v1(61.6,13.9) 63.653,13.9 64.129,13.424 64.129,11.756 64.771,11.115 64.771,8.371 v1(63.5,7.1)
  Bottom Layer w0.15: C44.2@27.4,5.8 27.464,5.8 28.511,4.752 31.388,4.752 32.617,3.523 34.123,3.523 34.348,3.748 34.348,5.848 v1(36,7.5) ; v1(46.2,4.1) 46.2,4.06 46.613,3.648 48.208,3.648 49.613,5.052 50.587,5.052 50.852,4.787 50.852,4.052 49.748,2.948 49.748,2.113 50.16,1.7 50.36,1.7 51.16,2.5 54.207,2.5 54.209,2.502 54.791,2.502 54.793,2.5 55.5,2.5 60.1,7.1 v1(63.5,7.1) ; R55.1@60.3,13.2 60.3,13.223 60.977,13.9 v1(61.6,13.9)
  Bottom Layer w0.2: SW3.3@25.9,11.925 25.9,6.075 26.175,5.8 C44.2@27.4,5.8
DOWN: C53.2 SW8.3 SW8.4 U3.35 | length 32.4
  Top Layer w0.2: v1(49.6,1.5) 49.6,1.568 49.377,1.791 49.377,2.994 49.7,3.317 U3.35@49.7,3.762
  Bottom Layer w0.15: SW8.3@21.375,4.3 21.595,4.3 21.995,3.9 26.605,3.9 27.005,4.3 27.225,4.3 C53.2@28.8,4.3 28.85,4.3 29.904,3.246 33.162,3.246 35.185,1.223 49.323,1.223 v1(49.6,1.5)
ESP32_BOOT: J11.5 M2.23 R55.2 SW5.1 SW5.2 | length 39
  Top Layer w0.2: M2.23@62.1,49 62.1,48 64,46.1 64,29.9 63.24,29.14 J11.5@62.6,29.14
  Bottom Layer w0.2: R55.2@59.3,13.2 59.325,13.225 59.325,17.8 SW5.1@59.6,18.075 59.4,18.275 SW5.2@59.4,23.755 ; SW5.2@59.6,23.925 59.6,24.051 60.9,25.351 60.9,27.79 62.25,29.14 J11.5@62.6,29.14
FAN_PWM: R23.1 U3.13 | length 60.8
  Top Layer w0.2: v1(46.9,13.8) 46.852,13.752 46.852,12.285 47.7,11.438 U3.13@47.7,10.637
  Bottom Layer w0.2: R23.1@14.8,57.8 14.8,55.3 31.6,38.5 31.6,29.65 46.9,14.35 v1(46.9,13.8)
FAN_TACH: J7.3 R33.2 TP30.1 U3.14 | length 78.1
  Top Layer w0.2: v1(45.7,13.8) 45.7,12.575 47.3,10.975 U3.14@47.3,10.637
  Bottom Layer w0.2: TP30.1@3.1,58.4 2.993,58.293 2.476,58.293 1.383,57.2 1.383,55.517 2.498,54.402 6.2,54.402 ; TP30.1@3.135,58.365 5.365,58.365 J7.3@5.4,58.33 ; R33.2@6.2,53.6 6.2,54.402 ; v1(45.7,13.8) 45.7,15.087 29.7,31.087 29.7,39.6 14.898,54.402 6.2,54.402